# Altium PCB AutoinformerPCB.PcbDoc (part 2 of 2)
Units mm, origin at the board's own origin, x right, y up, seen from the top; angles counter-clockwise.
Board outline 176 x 90 mm, 2 copper layers (Top Layer, Bottom Layer); 240 components, 152 nets, 795 pads, 255 vias.
Unrouted connection lines stored in the file: 2.
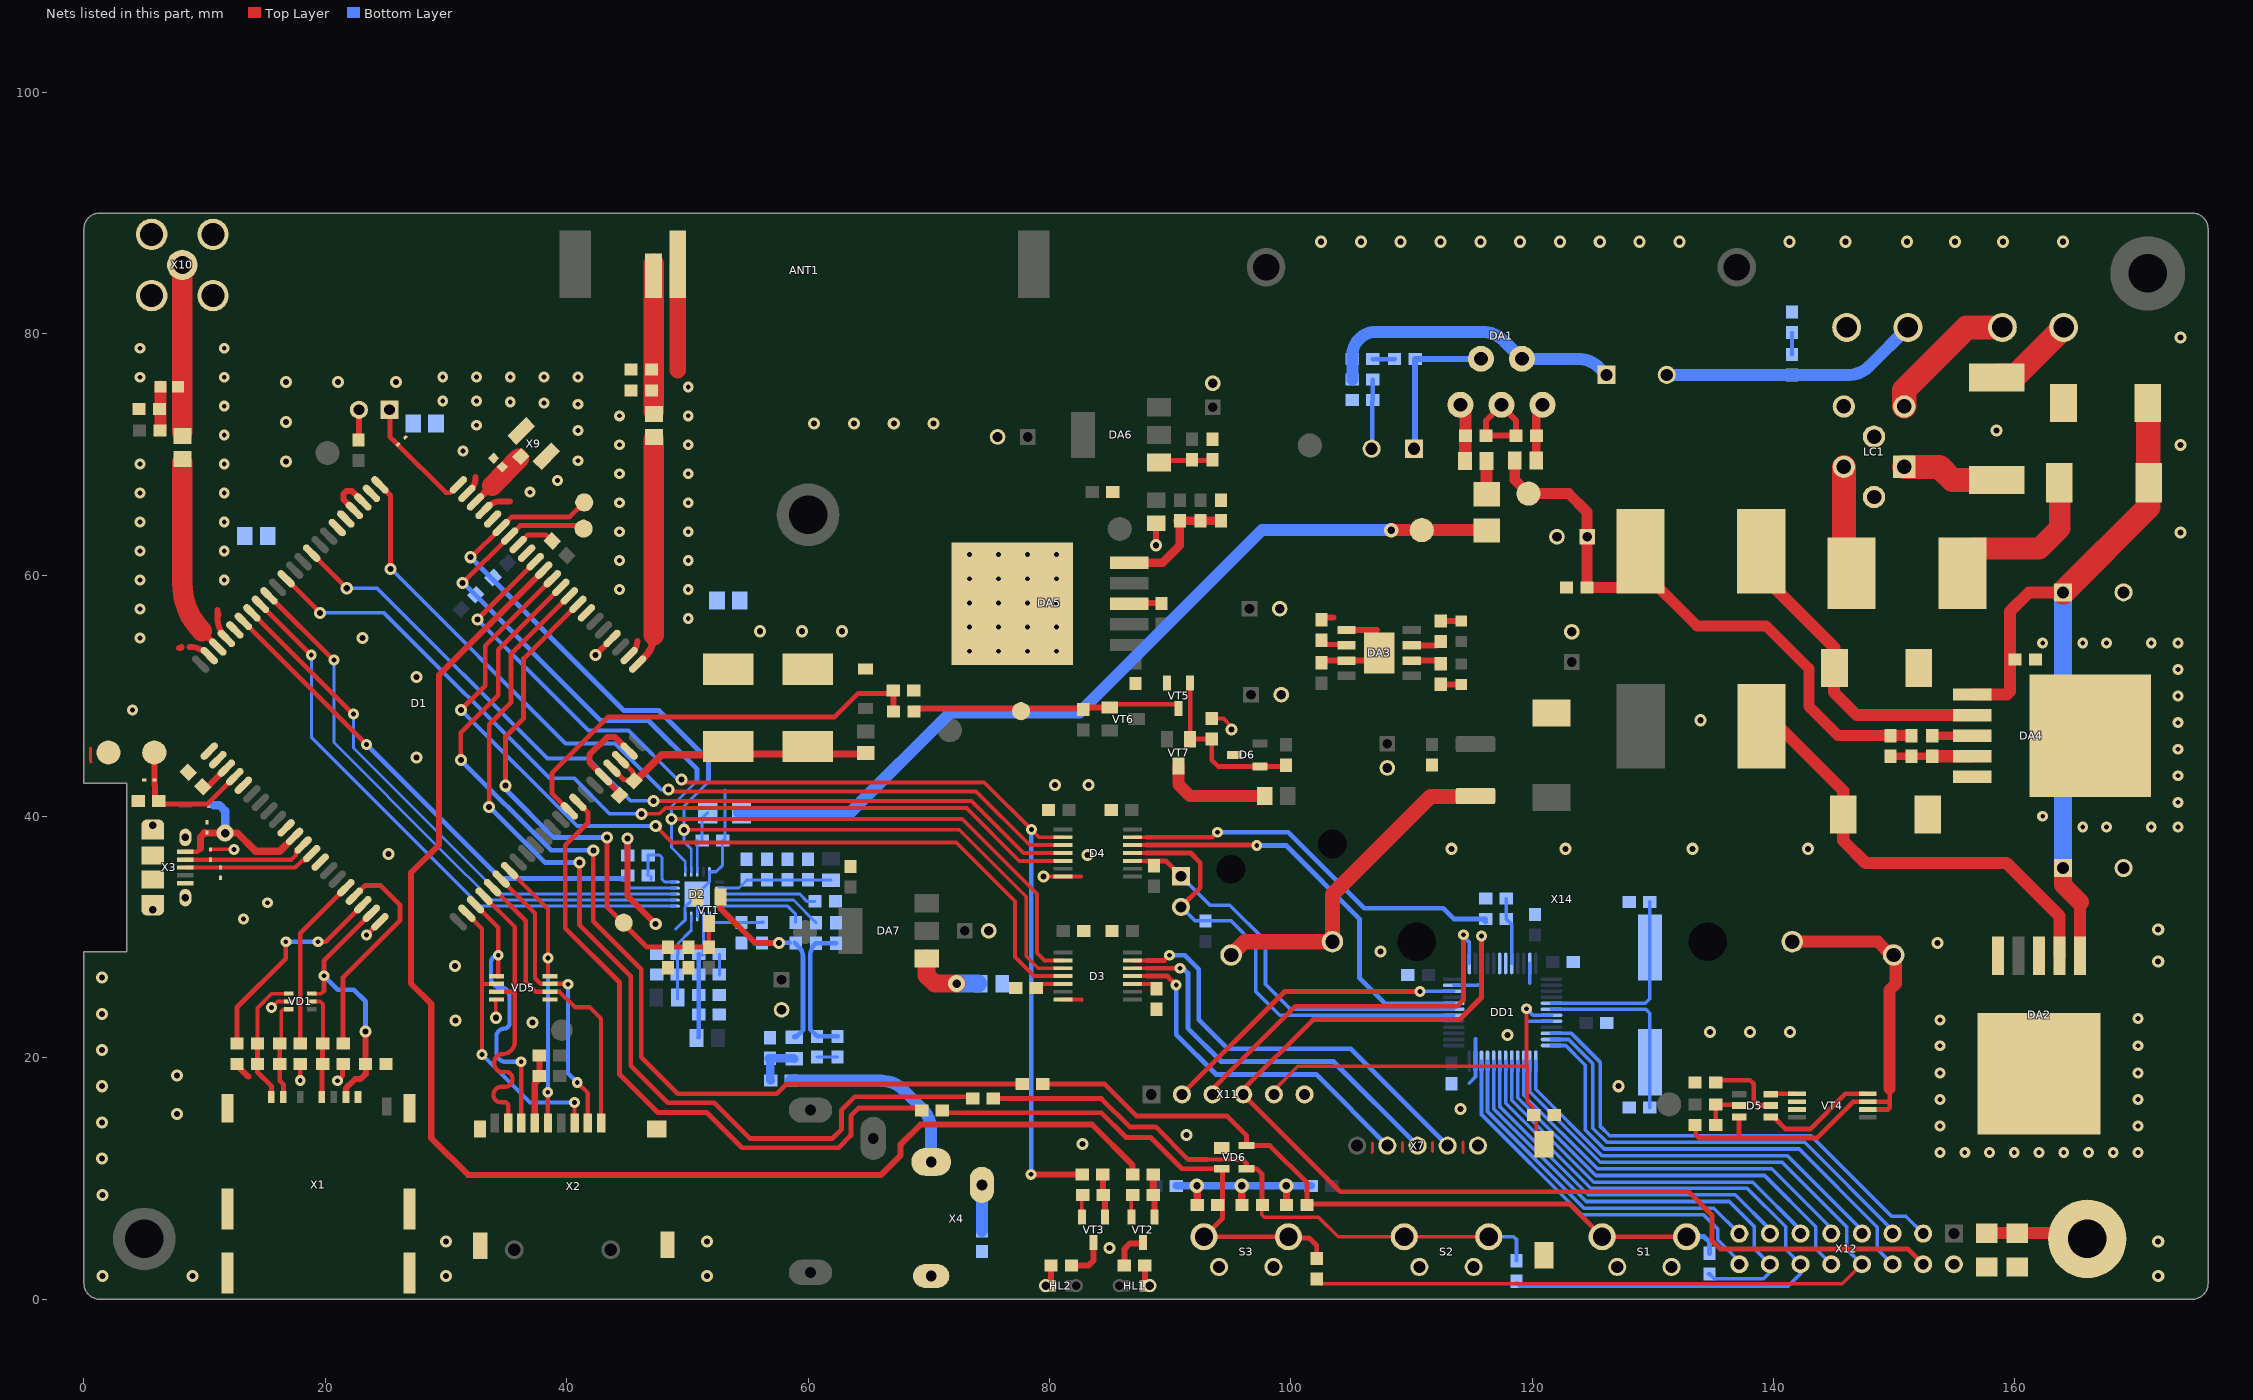
[diagram p2: the nets of this part, all layers, seen from the top]

## Via types
v1: diameter 0.9, hole 0.4, Top Layer to Bottom Layer, tented both sides, 119 vias
v2: diameter 1, hole 0.5, Top Layer to Bottom Layer, tented both sides, 114 vias
v3: diameter 1.4, hole 0.7, Top Layer to Bottom Layer, tented both sides, 11 vias
v4: diameter 1.2, hole 0.6, Top Layer to Bottom Layer, tented both sides, 11 vias

## Nets (pads, with @x,y where several pads share a name; then routed paths per layer and width w, separated by ;. In a path a pad name is that pad's centre, name@x,y a point inside that pad or via, vN(x,y) a via of type N, cw(c..) or ccw(c..) an arc to the next point about the centre after c; other vN are vias at no path point) (continued)
5V_USB: D1.11 VD3.2 VD14.1 X3.1 | length 14.4
  Top Layer w0.35: X3.1@8.4,37.075 9.375,37.075
  Top Layer w0.4: 9.375,37.075 9.65,37.35
  Top Layer w0.5: D1.11@17.447,38.347 D1.11@17.449,38.347
  Top Layer w0.6: 9.65,37.35 9.65,38.3 10,38.65 10.025,38.625 v3(11.7,38.625) 12.725,38.625 14.225,37.125 16.227,37.125 D1.11@17.449,38.347
  Bottom Layer w0.7: VD14.1@10.74,40.95 11.22,40.95 11.7,40.47 v3(11.7,38.625)
12V: C66.1 C68.1 C70.1 IND8.1 L3.2 R57.2 TP10.1 | length 51.3
  Top Layer w0.9: IND8.1@118.56,69.5 118.55,69.49 118.55,67.9 TP10.1@119.7,66.75 123.025,66.75 124.55,65.225 C70.1@124.55,63.175 C68.1@124.55,58.975 L3.2@128.175,58.975 ; L3.2@128.1,61.1 L3.2@128.975,61.975 128.975,60.475 133.65,55.8 139.375,55.8 142.925,52.25 142.925,49.125 145.35,46.7 R57.2@149.675,46.7 C66.1@151.425,46.7
+U: F1.1 X15.2 | length 7.3
  Top Layer w2: F1.1@158.475,76.375 158.625,76.525 160.04,76.525 X15.2@164.04,80.525
+U_VD: C56.1 C59.1 C60.1 DA2.1 DA4.1 VD12.C VD13.2 | length 64.5
  Top Layer w1: DA4.1@156.45,50.1 159.325,50.1 159.6,50.375 159.6,57 161.175,58.575 C60.1@164,58.575 ; DA2.1@165.402,28.475 165.402,32.927 ; VD13.2@171.025,74.25 VD13.2@171.05,74.225 ; VD12.C@171.05,67.675 VD12.C@171.075,67.65
  Top Layer w1.5: C56.1@164,35.725 164,34.329 165.402,32.927
  Top Layer w2: C60.1@164,58.575 171.075,65.65 VD12.C@171.075,67.65 ; VD12.C@171.05,67.675 VD13.2@171.05,74.225
  Bottom Layer w1.5: C56.1@164,35.725 C60.1@164,58.825
-U: LC1.3 X15.1 | length 11.7
  Top Layer w2: LC1.3@150.825,73.975 150.825,75.35 156,80.525 X15.1@158.96,80.525
ADC1: C10.1 D1.47 R18.2 R19.1 TP1.1 VT1.3 | length 45.4
  Top Layer w0.4: v2(34.925,42.55) 34.925,46.625 36.425,48.125 36.425,53.08 D1.47@40.925,57.58 ; v2(43.35,38.25) 43.35,32.475 46.65,29.175 C10.1@48.375,29.175 R18.2@51.775,29.175 VT1.3@51.775,31.125
  Bottom Layer w0.4: v2(34.925,42.55) 34.925,42.25 38.925,38.25 v2(43.35,38.25)
ADC2: D1.46
AGND: C4.2 C6.1 C8.2 C11.2 C12.2 C13.2 C14.2 C15.2 C16.2 C17.2 C18.2 C19.2 C20.2 C21.1 C24.1 C28.1 C29.1 C32.2 C34.2 D2.3 D2.5 D2.15 D2.21 DA1.3 IND5.1 R2.1 R26.2 R42.2 R43.2 X4.1 X8.1 | length 36.7
  Top Layer w0.5: v2(45.05,38.175) 45.05,33.4 v2(47.375,31.075) ; DA1.3@117.45,74.115 DA1.3@117.45,74.075 ; DA1.3@117.45,74.075 117.45,74.025 118.65,72.825 118.65,71.65 118.575,71.575 116.2,71.575 C32.2@116.175,71.55 116.175,72.8 DA1.3@117.45,74.075
  Bottom Layer w0.25: 49.02,30.67 49.046,30.67 49.82,31.444 49.82,32.52 D2.21@50.82,33.52 ; D2.3@50.82,31.719 D2.21@50.82,33.52 ; C19.2@52.67,26.87 C14.2@52.67,28.57 ; C29.1@52.92,38 52.92,35.97 52.371,35.421 D2.15@51.82,35.421 51.82,34.57 D2.21@50.82,33.57 D2.21@50.82,33.52 ; C29.1@52.925,38 53.125,38.2 53.125,42.175 ; C8.2@60.75,20.075 C6.1@62.45,20.075
  Bottom Layer w0.5: C21.1@45.05,36.8 v2(45.05,38.175)
AUX_ANT: D1.59 VD10.2 X9.1 | length 4.8
  Top Layer w0.6: D1.59@32.44,66.065 33.662,67.288
  Top Layer w1.697: 33.825,67.425 X9.1@36.013,69.638
AUX_GND: D1.58 D1.60 R23.2 VD10.1 X9.2 X9.3 | length 4
  Top Layer w0.5: D1.60@31.733,66.773 31.983,67.023 ccw(c30.856,68.15) 32.45,68.15 ; D1.58@33.147,65.331 D1.58@33.147,65.358 33.465,65.677 cw(c34.488,64.654) 34.488,66.1 35.3,66.1
  other v1: 36.95,66.875 39.225,67.837 40.925,69.475 31.4,70.275 40.925,71.975 32.525,72.425 40.925,74.162 38.125,74.268 35.325,74.333 29.725,74.425 32.525,74.425 29.725,76.425 32.525,76.425 35.325,76.425 38.125,76.425 40.925,76.425
BAK_ON: R33.2 R64.2 TP12.1 VT5.3 VT6.1 | length 22.5
  Top Layer w0.381: VT6.1@85,49.025 VT6.1@85.2,49.025 ; VT6.1@85,49.3 90.566,49.3 90.7,49.166 VT5.3@90.7,48.95 VT5.3@90.7,48.75
  Top Layer w0.5: R33.2@68.775,48.95 77.65,48.95 82.725,48.95 R64.2@82.8,48.875 ; R64.2@82.95,49.025 VT6.1@85,49.025
BAK_ON_1V8: D1.33 R33.1 R34.2 | length 36
  Top Layer w0.4: D1.33@40.218,40.468 38.773,41.913 38.773,43.578 43.445,48.25 62.2,48.25 64.15,50.2 R34.2@67.062,50.2
  Top Layer w0.5: R34.2@67.062,50.2 67.062,48.938 R33.1@67.075,48.925
BAT+: F2.2 X14.POS | length 27.9
  Top Layer w1.25: X14.POS@95.05,28.525 96.15,29.625 X14.POS@103.45,29.625 103.45,33.525 111.58,41.655 F2.2@115.255,41.655
BAT-: C61.2 D5.6 VT4.2 VT4.3 X14.NEG | length 43.7
  Top Layer w0.38: 146.6,16.375 VT4.3@147.813,16.375 149.6,16.375 ; VT4.2@147.813,15.725 149.475,15.725
  Top Layer w0.4: C61.2@133.5,14.45 133.55,14.4 133.55,13.65 133.85,13.35 143.575,13.35 146.6,16.375 ; 137.15,13.4 D5.6@137.15,15.1 ; 149.475,15.725 149.625,15.875 149.625,16.4 ; 149.6,16.375 149.625,16.4 ; 149.6,17.475 149.625,17.45 149.625,16.4
  Top Layer w1: X14.NEG@141.55,29.625 148.638,29.625 149.738,28.525 X14.NEG@149.95,28.525 150.125,28.35 150.125,26.125 149.6,25.6 149.6,17.475
BOOT: D1.85 VD9.2 X6.1 | length 10.1
  Top Layer w0.4: X6.1@25.35,73.7 25.35,71.857 25.35,71.475 25.813,71.013 25.975,70.85 30,66.825 30.371,66.825 D1.85@31.026,67.48
BOOT0: DD1.44 R48.1 R49.1 | length 5.6
  Bottom Layer w0.3: R48.1@117.85,33.2 R49.1@117.85,31.5 118.3,31.05 DD1.44@118.3,27.825
FLIGHT: D1.54 R31.1 | length 3.3
  Top Layer w0.4: D1.54@35.976,62.53 36.771,63.325 38.25,63.325 R31.1@38.774,62.801
GND: C1.1 C2.1 C3.2 C5.2 C7.2 C9.2 C10.2 C25.2 C26.2 C27.2 C33.2 C35.2 C38.1 C45.2 C46.1 C47.2 C48.2 C49.2 C50.1 C51.1 C52.2 C53.2 C54.2 C55.2 C56.2 C57.1 C58.2 C59.2 C60.2 C62.2 C63.2 C64.2 C65.2 C68.2 C69.2 C70.2 C71.2 C72.2 C73.2 C74.2 C75.2 C76.2 C77.2 D1.1 D1.2 D1.5 D1.10 D1.14 D1.37 D1.40 D1.43 D1.57 D1.61 D1.64 D1.65 D1.77 D1.81 D3.7 D4.7 D6.3 DA2.3 DA2.5 DA2.6 DA3.1 DA3.3 DA3.9 DA4.3 DA4.5 DA4.6 DA5.3 DA5.6 DA7.1 DD1.8 DD1.23 DD1.35 DD1.47 IND5.2 LC1.4 LC1.5 LC1.6 R19.2 R22.1 R23.1 R24.1 R28.1 R29.2 R32.2 R34.1 R38.1 R39.2 R48.2 R50.2 R54.1 R55.2 R58.1 R60.1 R61.1 R63.2 R65.1 S1.1 S1.2 S2.1 S2.2 S3.1 S3.2 S4.2 TP7.1 VD1.2 VD2.1 VD3.1 VD4.1 VD5.1 VD5.8 VD6.1 VD7.A VD8.1 VD9.1 VD11.1 VD13.1 VD15.1 VD16.1 VT1.2 VT2.2 VT3.2 VT4.6 VT4.7 VT5.2 X1.C5 X1.SHLD X2.6 X2.10 X2.11 X2.12 X2.13 X3.5 X3.SH1 X3.SH2 X3.SH4 X3.SH5 X3.SH6 X3.SH7 X7.1 X11.6 X12.2 | length 75.3
  Top Layer w0.25: 0.55,45.675 0.55,44.575 0.6,44.525 ; 106.725,12.175 106.75,12.2 106.75,12.925 ; 109.25,12.225 109.25,13 ; 111.75,12.225 111.75,13 ; 114.25,12.15 114.25,13.025
  Top Layer w0.3: VD2.1@10.575,37.275 v1(12.425,37.275) v1@12.423,37.273 ; C7.2@12.575,19.6 C7.2@12.675,19.5 C7.2@12.675,19.4 ; v1(15.55,24.175) 16.05,24.675 VD1.2@16.975,24.675 ; VD5.8@33.975,24.807 34.003,24.835 VD5.8@34.19,24.835 ; v2(34.125,23.325) 34.125,24.76 VD5.8@34.2,24.835 ; v2(79.5,35.025) D4.7@81.13,35.025 82.625,35.025 82.65,35 ; VT3.2@82.69,6.8 82.69,8.565 R38.1@82.75,8.625 ; VT2.2@86.79,6.725 VT2.2@86.79,6.8 86.79,8.515 R28.1@86.9,8.625 ; R61.1@88.825,64.275 R61.1@88.85,64.3 ; R63.2@93.45,48.125 94.425,48.125 95.075,47.475 v2(95.075,47.2) ; R54.1@102.525,56.3 102.725,56.5 R54.1@102.775,56.55 ; DA3.1@104.37,55.455 DA3.1@104.613,55.455
  Top Layer w0.32: D3.7@81.13,24.825 82.65,24.825 82.675,24.8
  Top Layer w0.4: v1(17.925,18.125) C9.2@17.925,19.5 ; v1(21,18.1) 21.425,18.525 21.425,19.5 C5.2@21.475,19.5 ; v1@23.373,30.153 23.373,30.141 24.508,31.276 D1.81@24.52,31.276
  Top Layer w0.5: C7.2@12.675,19.4 13.625,18.45 ; X2.6@37.35,14.575 X2.6@37.35,14.6 37.35,17.85 37.725,18.225 C1.1@37.725,18.5 37.725,20.075 C2.1@37.6,20.2 ; v2(42.4,53.375) 42.4,53.387 43.754,54.74 D1.43@43.754,54.752 ; D1.37@43.047,43.297 43.047,43.27 44.374,41.942 C25.2@44.374,41.749 ; D1.37@43.047,43.324 41.873,44.497 41.873,45.103 43.348,46.578 44.008,46.578 D1.40@45.168,45.418 ; DA5.3@86.805,57.675 89.125,57.675 C63.2@89.3,57.5 ; DA5.3@86.867,57.878 DA5.3@86.872,57.873 ; v2(88.825,62.475) R61.1@88.825,64.275 ; C57.1@102.525,52.9 102.533,52.908 104.606,52.908 DA3.3@104.613,52.915 106.69,52.915 DA3.9@107.15,53.425 ; R54.1@102.55,56.5 102.725,56.5 103.55,56.5 ; DA3.1@104.613,55.455 107.15,55.455 ; R58.1@153.15,46.7 R58.1@153.152,46.698 ; DA4.3@156.448,46.698 DA4.3@156.45,46.696
  Top Layer w0.7: R58.1@153.152,46.698 DA4.3@156.448,46.698
  Top Layer w1.5: DA7.1@69.825,28.239 69.825,26.825 70.5,26.15 v3(72.3,26.15)
  Bottom Layer w0.3: DD1.35@113.5,26.025 115.5,26.025 115.525,26.05 ; 114.775,17.9 115.3,18.425 DD1.23@115.3,19.725 115.3,21.575 ; 119.575,22.95 119.65,23.025 DD1.8@121.6,23.025 ; 119.8,26.2 DD1.47@119.8,27.825
  Bottom Layer w1.5: v3(72.3,26.15) IND5.2@74.075,26.15
  other v1: 153.8,12.15 155.85,12.15 157.9,12.15 159.95,12.15 162,12.15 164.05,12.15 166.1,12.15 168.15,12.15 170.2,12.15 153.8,14.35 170.2,14.35 153.8,16.55 170.2,16.55 153.8,18.75 170.2,18.75 153.8,21 170.2,21 153.8,23.15 170.2,23.25 23.398,30.178 13.225,31.5 15.2,32.85 165.625,39.125 167.6,39.125 171.3,39.125 173.5,39.125 162.3,40.025 173.5,41.175 173.5,43.375 173.5,45.575 173.5,47.775 4.025,48.825 173.5,49.975 173.5,52.175 162.3,54.375 165.625,54.375 167.6,54.375 171.3,54.375 173.5,54.375
  other v2: 1.525,1.925 8.975,1.925 30,1.925 51.625,1.925 171.875,1.925 84.975,4.25 30,4.8 51.625,4.8 171.875,4.8 1.525,8.65 1.5,11.65 82.725,12.875 91.35,13.6 1.5,14.65 7.69,15.337 114.075,15.775 1.5,17.65 127.15,17.65 7.69,18.535 1.5,20.65 117.95,21.9 134.75,22.15 138.05,22.15 141.35,22.15 37.175,22.925 30.8,23.1 1.5,23.65 1.5,26.65 30.725,27.625 171.875,28 107.425,28.825 153.6,29.525 171.875,30.65 83.15,36.8 25.25,36.875 113.3,37.325 122.775,37.325 133.275,37.325 142.85,37.325 80.45,42.625 83.25,42.625 27.55,44.875 133.95,47.975 27.55,51.55 23.075,54.775 56,55.35 59.5,55.35 62.8,55.35 173.725,63.55 16.75,69.4 173.725,70.8 158.475,71.975 60.5,72.575 63.8,72.575 67.1,72.575 70.4,72.575 16.75,72.7 16.75,76 21.05,76 25.85,76 173.725,79.7 102.5,87.625 105.8,87.625 109.1,87.625 112.4,87.625 115.7,87.625 119,87.625 122.3,87.625 125.6,87.625 128.9,87.625 132.2,87.625 141.325,87.625 145.975,87.625 151.075,87.625 155.025,87.625 159.025,87.625 163.975,87.625
GNSS_ANT: C41.2 D1.79 | length 16.3
  Top Layer w0.5: 9.764,55.366 D1.79@11.085,54.045
  Top Layer w1.698: C41.2@8.15,69.375 8.15,59.75 8.15,59.263 ccw(c13.613,59.263) 9.75,55.4 ccw(c9.798,55.4) 9.764,55.366
GNSS_GND: C44.1 D1.78 D1.80 R24.2 X10.G | length 4.8
  Top Layer w0.5: 7.875,53.95 8,53.95 8.075,54.025 ; 8.726,54.05 cw(c8.726,51.782) 10.33,53.386 D1.80@10.378,53.337 D1.80@10.351,53.337 ; 11.05,57.125 11.05,56.544 ccw(c13.585,56.544) D1.78@11.792,54.752 D1.78@11.792,54.779 ; 11.1,56.65 11.15,56.7 11.15,56.75
  other v1: 4.65,54.8 4.65,57.2 4.65,59.6 11.625,59.6 4.65,62 11.625,62 4.65,64.4 11.625,64.4 4.65,66.8 11.625,66.8 4.65,69.2 11.625,69.2 11.625,71.6 11.625,74 4.65,76.4 11.625,76.4 4.65,78.8 11.625,78.8
GPIO6: D1.34 R13.1 | length 55.5
  Top Layer w0.4: D1.34@40.925,41.175 41.773,40.327 41.773,39.503 39.875,37.605 39.875,30.75 44.375,26.25 44.375,18.65 47.55,15.475 51.6,15.475 54.525,12.55 62.525,12.55 63.55,13.575 63.55,15.2 64.2,15.85 69.225,15.85 R13.1@69.425,15.65
GPIO26: D1.48 R11.1 | length 81.5
  Top Layer w0.4: v2(33.575,40.8) 33.575,47.625 35.375,49.425 35.375,53.444 D1.48@40.218,58.287 ; v2(41.05,36.2) 41.05,31.025 45.3,26.775 45.3,19.35 48.375,16.275 52.225,16.275 55.175,13.325 62.025,13.325 62.775,14.075 62.775,15.7 63.85,16.775 73.5,16.775 R11.1@73.65,16.625
  Bottom Layer w0.4: v2(33.575,40.8) 38.175,36.2 v2(41.05,36.2)
GPIO41: D1.52 D4.2 R36.1 | length 95.6
  Top Layer w0.32: v2(49.525,43.05) 49.75,42.825 74.6,42.825 v1(78.5,38.925) 79.15,38.275 D4.2@81.13,38.275
  Top Layer w0.4: v2(32.6,56.326) D1.52@37.39,61.116 ; v1(78.475,10.35) v1@78.488,10.338 ; R36.1@82.713,10.338 R36.1@82.725,10.325
  Top Layer w0.5: v1@78.488,10.338 R36.1@82.713,10.338
  Bottom Layer w0.32: v2(32.6,56.326) 41.801,47.125 45.125,47.125 49.2,43.05 v2(49.525,43.05)
  Bottom Layer w0.4: v1@78.475,10.4 78.488,10.413 78.488,38.913 v1(78.5,38.925)
GPIO41_3V3: D4.13 R49.2 | length 32.8
  Top Layer w0.32: D4.13@86.87,38.275 88.025,38.275
  Top Layer w0.4: 88.025,38.275 93.5,38.275 v1(93.925,38.7)
  Bottom Layer w0.4: v1(93.925,38.7) 99.8,38.7 106.1,32.4 112.625,32.4 113.525,31.5 R49.2@115.9,31.5 ; R49.2@116.15,31.25 R49.2@115.9,31.5 ; R49.2@116.15,31.5 R49.2@115.9,31.5
GPIO43: D1.50 D3.4 | length 75.8
  Top Layer w0.32: v2(47.375,39.2) 48.725,37.85 72.275,37.85 77.15,32.975 77.15,28.35 78.725,26.775 D3.4@81.13,26.775
  Top Layer w0.4: v2(31.225,48.825) 33.25,50.85 33.25,54.148 D1.50@38.804,59.701
  Bottom Layer w0.32: v2(31.225,48.825) 31.25,48.825 40.875,39.2 v2(47.375,39.2)
GPIO52: D1.49 R9.1 | length 83.8
  Top Layer w0.4: v2(31.225,44.675) 31.225,46.95 34.325,50.05 34.325,53.808 D1.49@39.511,58.994 ; v2(42.2,37.2) 42.2,31.325 46.175,27.35 46.175,20.05 49.2,17.025 57.4,17.025 58.2,17.825 R9.1@77.75,17.825
  Bottom Layer w0.4: v2(31.225,44.675) 38.7,37.2 v2(42.2,37.2)
GPIO77: D1.87 D4.3 | length 72.5
  Top Layer w0.32: v2(48.425,42.225) 48.575,42.075 73.925,42.075 78.37,37.63 81.125,37.63 D4.3@81.13,37.625
  Top Layer w0.4: D1.87@24.52,67.48 25.4,66.6 v2(25.4,60.525)
  Bottom Layer w0.32: v2(25.4,60.525) 25.425,60.525 39.9,46.05 44,46.05 47.825,42.225 v2(48.425,42.225)
GPIO77_3V3: D4.12 DD1.32 | length 34.9
  Top Layer w0.32: D4.12@86.87,37.625 88.025,37.625
  Top Layer w0.4: 88.025,37.625 97.15,37.625 v1(97.175,37.6)
  Bottom Layer w0.3: 107.7,24.525 DD1.32@113.5,24.525
  Bottom Layer w0.4: v1(97.175,37.6) 99.6,37.6 105.7,31.5 105.7,26.6 107.7,24.6
I2C1_SCL: DD1.42
I2C1_SDA: DD1.43
I2C2_SCL: DD1.21 X12.15 | length 29.2
  Bottom Layer w0.3: DD1.21@116.3,19.725 116.3,15.55 124.3,7.55 135.05,7.55 X12.15@137.16,5.44
I2C2_SDA: DD1.22 X12.16 | length 31.6
  Bottom Layer w0.3: DD1.22@115.8,19.725 115.8,15.3 124.1,7 134.2,7 135.375,5.825 135.375,4.925 137.16,3.14 X12.16@137.16,2.9
I2C_SCL: D1.55 D2.11 D3.2 R20.1 TP4.1 | length 87.9
  Top Layer w0.32: v2(48.675,39.8) 72.775,39.8 78.975,33.6 78.975,28.7 79.6,28.075 D3.2@81.13,28.075
  Top Layer w0.4: v2(31.377,59.358) 31.39,59.358 D1.55@35.268,63.237 36.131,64.1 41.15,64.1 TP4.1@41.4,63.85
  Bottom Layer w0.24: D2.11@49.82,35.421 49.82,36.28
  Bottom Layer w0.25: v2(31.377,59.358) v2@31.417,59.358 ; 49.82,36.28 48.675,37.425 v2(48.675,39.8) 48.675,40.825 50.8,42.95
  Bottom Layer w0.4: v2@31.417,59.358 42.825,47.95 46.775,47.95 50.8,43.925 50.8,42.95
I2C_SDA: D1.56 D2.12 D3.3 R21.1 TP5.1 | length 87.4
  Top Layer w0.32: v2(49.725,38.9) 72.525,38.9 78.075,33.35 78.075,28.425 79.075,27.425 D3.3@81.13,27.425
  Top Layer w0.4: v2(32.027,61.484) 32.101,61.484 D1.56@34.561,63.944 35.442,64.825 40.25,64.825 TP5.1@41.45,66.025
  Bottom Layer w0.24: D2.12@50.32,35.421 50.32,37.305 49.725,37.9 v2(49.725,38.9) 49.725,40.85 51.75,42.875
  Bottom Layer w0.4: v2(32.027,61.484) 44.728,48.782 47.643,48.782 51.75,44.675 51.75,42.875
LCD_BCKLT: D3.11 X7.4 | length 29.4
  Top Layer w0.32: D3.11@86.87,26.775 88.075,26.775
  Top Layer w0.4: 88.075,26.775 89.775,26.775 v1(90.5,26.05)
  Bottom Layer w0.4: v1(90.5,26.05) 90.5,21.925 93.8,18.625 102.1,18.625 X7.4@108,12.725
LCD_I2C_SCL: D3.13 X7.2 | length 35.3
  Top Layer w0.32: D3.13@86.87,28.075 88.05,28.075
  Top Layer w0.4: 88.05,28.075 89.525,28.075 v1(89.95,28.5)
  Bottom Layer w0.4: v1(89.95,28.5) 91.225,28.5 92.375,27.35 92.375,23.15 94.775,20.75 104.975,20.75 X7.2@113,12.725
LCD_I2C_SDA: D3.12 X7.3 | length 32.4
  Top Layer w0.32: D3.12@86.87,27.425 88.05,27.425
  Top Layer w0.4: 88.05,27.425 v1(90.825,27.425)
  Bottom Layer w0.4: v1(90.825,27.425) 91.075,27.425 91.475,27.025 91.475,22.45 94.225,19.7 103.525,19.7 X7.3@110.5,12.725
MAIN_ANT: D1.82 R44.1 | length 19.1
  Top Layer w0.6: D1.82@45.875,52.63 46.481,53.236 ccw(c44.685,55.032) 47.225,55.032
  Top Layer w1.697: 47.225,55.032 R44.1@47.225,71.25
MAIN_GND: ANT1.2 C42.1 C43.1 D1.41 R22.2 | length 10.5
  Top Layer w0.5: D1.41@45.168,53.323 D1.41@45.168,53.337 45.493,53.662 ccw(c44.63,54.525) 45.85,54.525 ; 49.075,76.7 ccw(c48.773,77.002) 49.2,77.002
  Top Layer w1.4: 49.2,77.002 ANT1.2@49.2,85.75
  other v1: 50.075,56.4 44.375,58.8 50.075,58.8 44.375,61.2 50.075,61.2 44.375,63.6 50.075,63.6 44.375,66 50.075,66 44.375,68.4 50.075,68.4 44.375,70.8 50.075,70.8 44.375,73.2 50.075,73.2 50.075,75.6
MIC_N: C6.2 C8.1 C23.1 R26.1 | length 11.5
  Bottom Layer w0.381: R26.1@62.325,29.5 60.625,29.5 ccw(c61.711,28.414) 60.175,28.414 60.175,22.35 C8.1@60.75,21.775 C6.2@62.45,21.775
MIC_P: C22.1 IND1.1 R17.2 VT1.1 | length 17.7
  Top Layer w0.5: VT1.1@52.725,33.325 52.725,32.4 55.6,29.525 v2(57.575,29.525) v2@57.6,29.525 ; VT1.1@52.75,33.24 VT1.1@52.76,33.25
  Bottom Layer w0.381: R17.2@56.3,29.525 v2(57.575,29.525) 57.6,29.525 58.475,29.525 ; IND1.1@58.85,21.715 58.99,21.715 59.575,22.3 59.575,28.389 ccw(c58.462,28.389) 59.249,29.176 C22.1@58.9,29.525 ; IND1.1@58.85,21.805 IND1.1@58.97,21.805
MICBIAS: C24.2 D2.1 R17.1 | length 5.1
  Bottom Layer w0.25: D2.1@51.82,31.719 51.82,31.305 51.9,31.225 54.6,31.225 56.275,31.225 56.3,31.25 R17.1@56.1,31.25
MOUT: C30.1 C31.2 TP3.1 | length 71.7
  Top Layer w1: v4(108.325,63.725) TP3.1@110.85,63.725 C31.2@116.25,63.725
  Bottom Layer w1: C30.1@54.275,40.325 63.5,40.325 71.775,48.6 82.475,48.6 97.6,63.725 v4(108.325,63.725)
NetANT1_3: ANT1.3 C42.2 C43.2 R44.2 | length 12.3
  Top Layer w1.697: R44.2@47.225,73.55 47.225,75.3 ANT1.3@47.225,85.8
NetBC1_1: BC1.1 C55.1 R50.1 | length 8.3
  Top Layer w1: R50.1@157.85,5.475 160.4,5.475 165.525,5.475 BC1.1@166,5
NetC4_1: C4.1 IND1.2 R3.1 | length 4
  Bottom Layer w0.7: C4.1@56.725,19.95 56.75,19.975 56.77,19.955 C4.1@56.87,19.955 ; C4.1@56.85,19.975 C4.1@56.87,19.955 ; R3.1@56.9,18.125 56.875,18.15 56.875,19.95 C4.1@56.87,19.955 ; IND1.2@58.85,19.935 58.83,19.955 C4.1@56.87,19.955
NetC5_1: C5.1 R14.2 VD1.5 X1.C2 | length 8.7
  Top Layer w0.3: VD1.5@18.875,24.675 19.575,24.675 19.8,24.45 R14.2@19.8,21.175 ; C5.1@19.71,19.435 C5.1@19.775,19.5
  Top Layer w0.4: X1.C2@19.71,16.775 C5.1@19.71,19.435 ; C5.1@19.775,19.5 R14.2@19.775,21.175
NetC7_1: C7.1 R15.2 VD1.1 X1.C3 | length 10.9
  Top Layer w0.3: R15.2@14.375,21.175 14.375,24.131 15.569,25.325 VD1.1@16.975,25.325
  Top Layer w0.4: R15.2@14.375,21.175 C7.1@14.375,19.5 14.375,18.825 15.525,17.675 15.525,16.78 X1.C3@15.52,16.775
NetC9_1: C9.1 R16.2 VD1.3 X1.C7 | length 8
  Top Layer w0.3: R16.2@16.225,21.175 16.35,21.3 16.35,23.85 16.525,24.025 VD1.3@16.975,24.025
  Top Layer w0.4: R16.2@16.225,21.175 C9.1@16.225,19.5 16.225,18.1 16.525,17.8 16.525,16.78 X1.C7@16.52,16.775
NetC11_1: C11.1 C14.1 C17.1 C19.1 D2.2 IND2.2 | length 10.2
  Bottom Layer w0.24: C14.1@51.32,28.53 D2.2@51.32,31.719
  Bottom Layer w0.25: C14.1@51.23,28.53 C14.1@51.27,28.57
  Bottom Layer w0.381: IND2.2@50.91,21.7 50.93,21.72 50.93,25.225 50.93,28.58 C14.1@50.95,28.6 ; C14.1@50.98,28.57 C14.1@51,28.55
NetC12_1: C12.1 C15.1 D2.4 IND3.2 | length 7.4
  Bottom Layer w0.24: 50.32,30.57 D2.4@50.32,31.719
  Bottom Layer w0.25: IND3.2@49.19,24.875 49.19,28.55 49.17,28.57 49.22,28.57 49.22,29.47 50.32,30.57
NetC13_1: C13.1 C16.1 C18.1 C20.1 D2.17 IND4.2 | length 9.6
  Bottom Layer w0.24: D2.17@52.671,34.07 54.27,34.07
  Bottom Layer w0.25: 54.27,34.07 54.9,34.7 C16.1@54.9,34.75 C13.1@56.6,34.75 C18.1@58.3,34.75 C20.1@60,34.75 61.86,34.75 IND4.2@61.9,34.71
NetC21_2: C21.2 D2.10 R25.2 | length 6.1
  Bottom Layer w0.25: R25.2@46.75,35.1 C21.2@46.75,36.775 46.75,36.8 47.7,36.8 47.9,36.6 47.9,34.8 48.13,34.57 D2.10@48.969,34.57 ; R25.2@47,34.8 R25.2@47,35.025
NetC22_2: C22.2 D2.20 | length 7.3
  Bottom Layer w0.24: D2.20@52.671,32.57 58.305,32.57